# Altium PCB RFFE_Controller.PcbDoc (part 1 of 2) (continued)
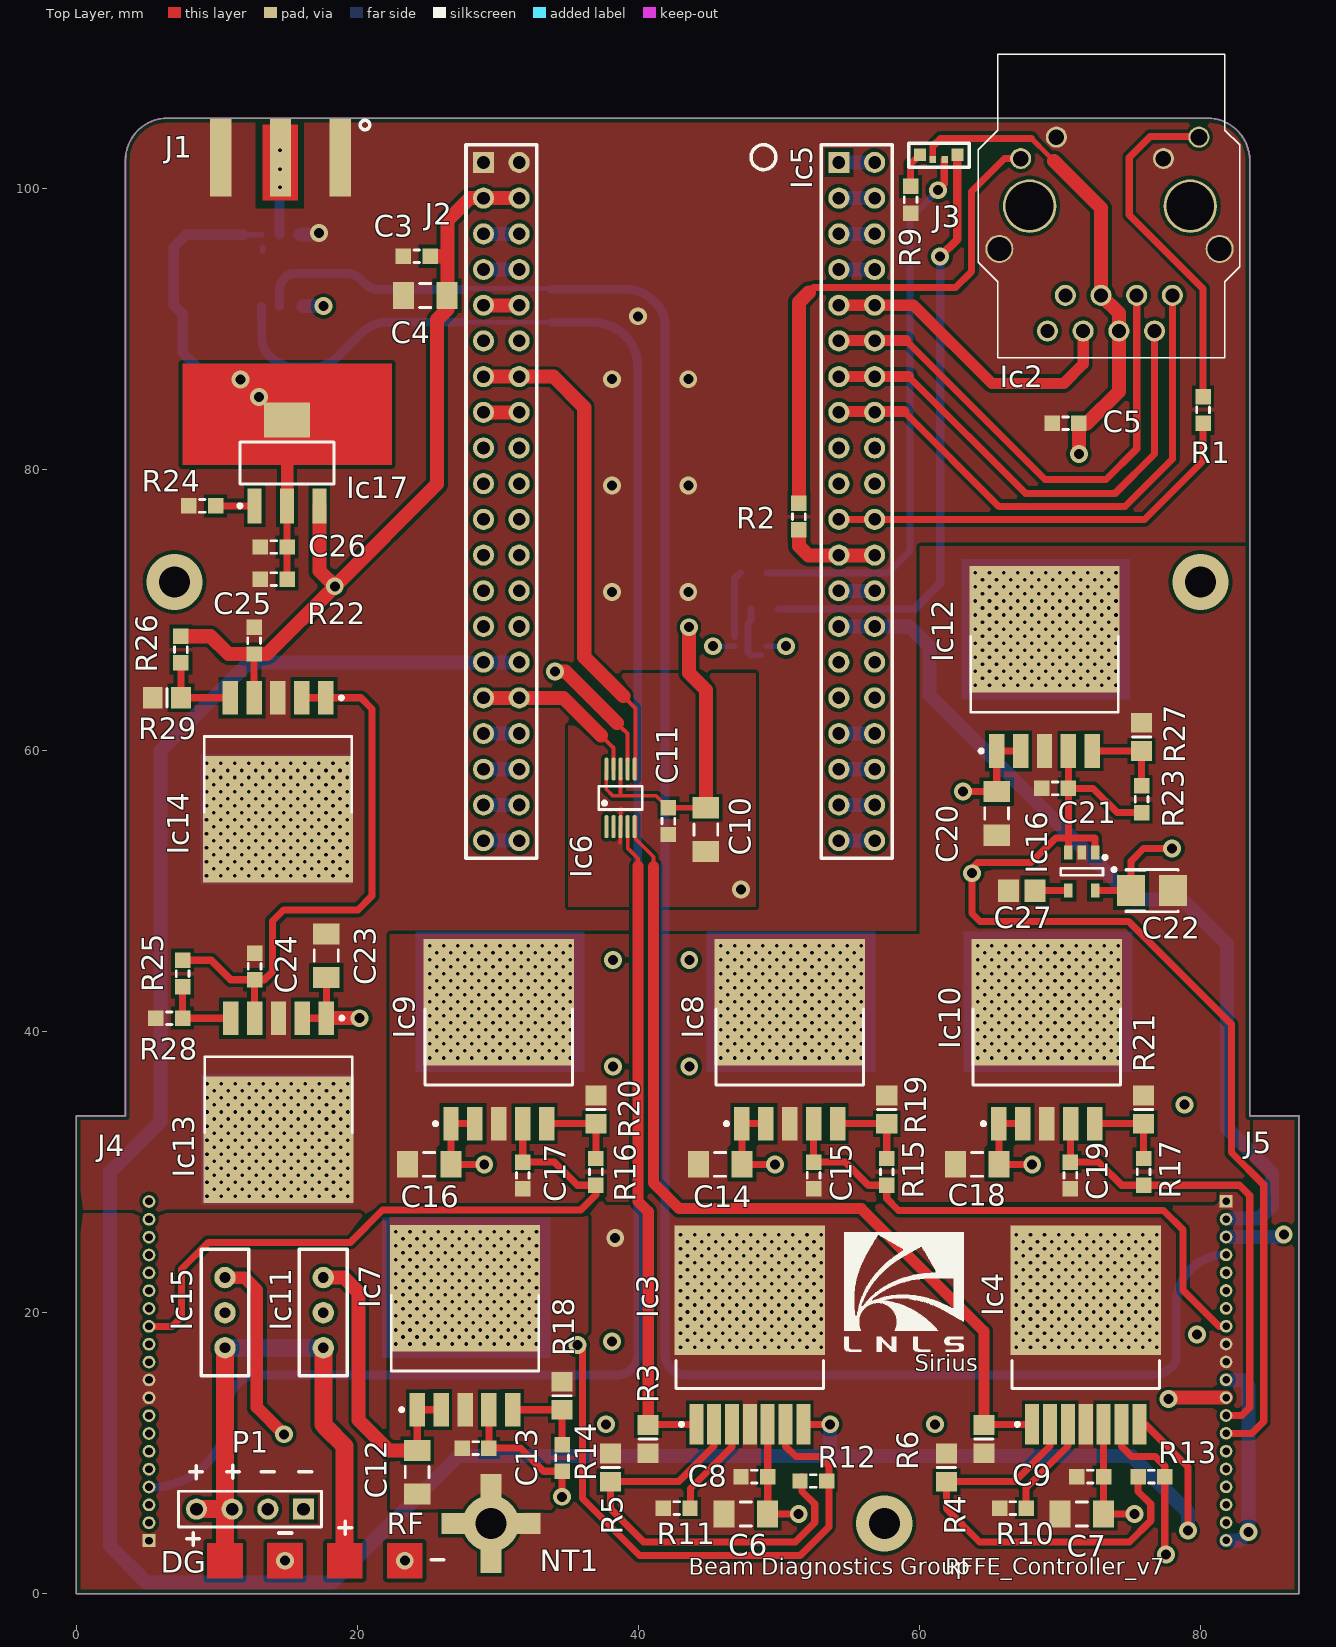
[diagram p0: Top Layer view]
## Footprints (in the part's own frame and the unit in brackets; to place one, negate y for a bottom-side part, rotate by r counter-clockwise, add the part's x,y. Pads: shape width x height; smd on the part's side, far side on the other; paste and mask are expansions set on the pad)
2-534998-0 [mm]
  rect 1.5x1.5 hole 0.9: 1(0,0)
  round 1.5 hole 0.9: 2(0,-2.54) 3(0,-5.08) 4(0,-7.62) 5(0,-10.16) 6(0,-12.7) 7(0,-15.24) 8(0,-17.78) 9(0,-20.32) 10(0,-22.86) 11(0,-25.4) 12(0,-27.94) 13(0,-30.48) 14(0,-33.02) 15(0,-35.56) 16(0,-38.1) 17(0,-40.64) 18(0,-43.18) 19(0,-45.72) 20(0,-48.26) 21(2.54,0) 22(2.54,-2.54) 23(2.54,-5.08) 24(2.54,-7.62) 25(2.54,-10.16) 26(2.54,-12.7) 27(2.54,-15.24) 28(2.54,-17.78) 29(2.54,-20.32) 30(2.54,-22.86) 31(2.54,-25.4) 32(2.54,-27.94) 33(2.54,-30.48) 34(2.54,-33.02) 35(2.54,-35.56) 36(2.54,-38.1) 37(2.54,-40.64) 38(2.54,-43.18) 39(2.54,-45.72) 40(2.54,-48.26)
  silkscreen extent -1.24,-49.53 3.78,1.27, body extent -1.24,-49.53 3.78,1.27, height 6.22
8-SOIC [mm] "8-SOIC (0.154\", 3.90mm Width)"
  oval 2.3x0.7 smd: 1(-2.54,1.905) 2(-2.54,0.635) 3(-2.54,-0.635) 4(-2.54,-1.905) 5(2.56,-1.905) 6(2.56,-0.635) 7(2.56,0.635) 8(2.56,1.905)
  silkscreen extent -2.66,-2.5 1.01,2.93, body extent -1.98,-2.79 2.01,2.72, height 1.75
10-MSOP [mm] "TSSOP, 10-Leads, Body 3.1x3.1mm (max), Pitch 0.50mm, IPC Medium Density"
  oval 1.65x0.3 smd: 1(-2.05,1) 2(-2.05,0.5) 3(-2.05,0) 4(-2.05,-0.5) 5(-2.05,-1) 6(2.05,-1) 7(2.05,-0.5) 8(2.05,0) 9(2.05,0.5) 10(2.05,1)
  silkscreen extent -0.83,-1.55 0.82,1.55, body extent -1.55,-1.55 1.55,1.55, height 1.1
0603 [mm] "0603 in ou 1608 mm"
  rect 1.1x1.1 smd: 1(-0.95,0) 2(0.95,0)
  silkscreen extent -0.2,-0.45 0.2,0.45, body extent -0.85,-0.48 0.85,0.48, height 0.6
1206 [mm] "1206 in - 3216 mm"
  rect 1.5x1.9 smd: 1(-1.55,0) 2(1.55,0)
  silkscreen extent -0.4,-0.85 0.4,0.85, body extent -1.7,-0.9 1.7,0.9, height 1.35
CAPC2012M [mm] "Chip Capacitor, Body 2.0x1.3mm, IPC Low Density"
  rect 1.5x1.6 smd: 1(-0.95,0) 2(0.95,0)
  body extent -1.1,-0.72 1.1,0.72, height 1.1
DBV005 [mm] "TPS73030"
  rect 1x0.6 smd: 1(0,0) 2(0,-0.95) 3(0,-1.9) 4(2.7,-1.9) 5(2.7,0)
  silkscreen extent 0.2,-2.45 1.6,0.83, body extent 0.48,-2.47 2.22,0.58, height 1.45
"DD Pak" [mm]
  rect 2.4x1.1 smd: 1(0,0.004) 2(0,-1.698) 3(0,-3.4) 4(0,-5.102) 5(0,-6.804)
  rect 9x10.7 smd: 6(8.65,-3.4)
  silkscreen extent -0.12,-8.65 8.15,1.85, body extent 2.75,-8.67 12.15,1.88, height 4.57
DDPAK [mm] "TO-263-8, D²Pak (7 Leads + Tab), TO-263CA"
  rect 2.9x1 smd: 1(-6.353,3.807) 2(-6.353,2.537) 3(-6.353,1.267) 4(-6.353,-0.003) 5(-6.353,-1.273) 6(-6.353,-2.543) 7(-6.353,-3.813)
  rect 9.2x10.7 smd: 8(3.197,-0.003)
  silkscreen extent -6.48,-5.25 -1.8,5.25, body extent -3.8,-5.28 5.6,5.27, height 4.57
GROUNDCONNECT [mm]
  rect 1.5x2.75 all layers, no hole: 1(0,2.149) 3(0,-2.149)
  rect 2.75x1.5 all layers, no hole: 2(2.149,0) 4(-2.149,0)
HDR1X4 [mm] "Connector; Header; 4 Position"
  rect 1.5x1.5 hole 0.9: 1(0,0)
  round 1.5 hole 0.9: 2(2.54,0) 3(5.08,0) 4(7.62,0)
  silkscreen extent -1.27,-1.27 8.89,1.27
LED_3colors [mm]
  rect 0.85x0.9 smd: 1(0,0) 4(2.65,0)
  rect 0.45x0.5 smd: 2(0.9,-0.35) 3(1.75,-0.35)
  silkscreen extent -0.8,-0.9 3.5,0.8, body extent 0.05,-0.5 2.55,0.5, height 1
Radial-3 [mil] "0.354\" L x 0.126\" W (9.00mm x 3.20mm)"
  round 60 hole 30: 1(-98.43,0) 2(0,0) 3(98.43,0)
  silkscreen extent -177,-67 177,67, body extent -172,-62 172,62, height 315
RESC2012M [mm] "Chip Resistor, Body 2.0x1.3mm, IPC Low Density"
  rect 1.4x1.5 smd: 1(-1,0) 2(1,0)
  silkscreen extent 0,-0.65 0,0.65, body extent -1.07,-0.7 1.07,0.7, height 0.65
RJ_45 [mm] "RJ45 footprint for J0006D21BNL"
  round 1.5 hole 1: 1(0,0) 2(2.54,-1.27) 3(0,-2.54) 4(2.54,-3.81) 5(0,-5.08) 6(2.54,-6.35) 7(0,-7.62) 8(2.54,-8.89)
  round 1.5 hole 1.2: 9(-11.25,1.884)
  round 1.5 hole 1.1: 10(-9.731,-0.635) 11(-11.25,-8.255) 12(-9.731,-10.795)
  round 2 hole 1.7: 13(-3.301,3.365) 14(-3.301,-12.316)
  round 3.8 hole 3.4: 15(-6.35,1.27) 16(-6.35,-10.16)
  silkscreen extent -17.15,-13.82 4.43,4.78, body extent -17.09,-12.37 4.37,3.66, height 15.5
SMAedge50R [mm]
  rect 1.524x5.5 smd: 1(0,0) 2(8.5,0)
  rect 1.524x5.5 smd far side: 3(0,0) 4(8.5,0)
  rect 1.5x5.5 smd: 5(4.25,0)
  silkscreen extent -2.11,-2.68 -1.44,-2, body extent -0.75,-15.58 9.25,2, height 3.96
SOT-223 [mm] "TO-261-4, TO-261AA"
  rect 2.5x1 smd: 1(-3.025,2.3) 2(-3.025,0) 3(-3.025,-2.3)
  rect 2.5x3.3 smd: 4(3.075,0)
  silkscreen extent -3.15,-3.35 1.53,3.47, body extent -1.82,-3.35 1.88,3.35, height 1.8
SOT_363 [mm] "TXRX XLATING DUAL 3ST 6TSSOP"
  rect 0.65x0.4 smd: 1(-0.95,0.65) 2(-0.95,0) 3(-0.95,-0.65) 4(0.95,-0.65) 5(0.95,0) 6(0.95,0.65)
  silkscreen extent -1.07,-1.1 0.25,1.52, body extent -0.7,-1.1 0.7,1.1, height 1
TC3528-1411 [mm] "Capacitor, SM Tantalum; Body 3.5 x 2.8 mm (LxW typ)"
  rect 2x2.2 smd: 1(-1.5,0) 2(1.5,0)
  silkscreen extent -2.82,-1.5 1.85,1.62
TFM-120-01-L-D [mm]
  rect 0.905x0.905 hole 0.54: 1(-12.07,-0.48)
  round 0.905 hole 0.54: 2(-10.8,-0.48) 3(-9.53,-0.48) 4(-8.26,-0.48) 5(-6.99,-0.48) 6(-5.72,-0.48) 7(-4.45,-0.48) 8(-3.18,-0.48) 9(-1.91,-0.48) 10(-0.64,-0.48) 11(0.63,-0.48) 12(1.9,-0.48) 13(3.17,-0.48) 14(4.44,-0.48) 15(5.71,-0.48) 16(6.98,-0.48) 17(8.25,-0.48) 18(9.52,-0.48) 19(10.79,-0.48) 20(12.06,-0.48)
  body extent -14.29,-0.63 14.29,5.59, height 4.46

## Part data
C1 C4 C6 C7 C10 C12 C13 C14 C15 C16 C17 C18 C19 C20 C21 C23 C24 C25 C26: "CAP TANT 10UF 10V 10% 1206"
C2 C3 C5 C8 C9 C11: "CAP CER 0.1UF 25V 10% X7R 0603"
C22: library part T520B106M016ATE100, "CAP TANT 10UF 16V 20% 1411"
C27: library part C2012C0G1H103J/0.60, "CAP CER 10000PF 50V 5% NP0 0805"
IC1: "IC CLK BUFFER 1:4 200MHZ 8SOIC"
Ic2: "CONN MAGJACK 1PORT 100 BASE-TX"
Ic3 Ic4: "IC OPAMP PWR 1MHZ SGL D2PAK-7"
Ic5: "LED CHIP RGB 2.5X1.0X1.0MM SMD"
Ic6: "IC DAC 12BIT QUAD W/SPI 10-MSOP"
Ic7 Ic8 Ic9 Ic10 Ic12 Ic13 Ic14: library part LT1764AEQ#PBF
Ic11 Ic15: "FILTER EMI 100PF 350-500MHZ 5A"
Ic16: "IC LDO REG HI-PSRR 3V SOT23-5"
Ic17: library part LT3080EST#TRPBF, "IC REG LDO ADJ 1.1A SOT223"
Ic18: "MOSFET N-CH TRENCH DL 20V 6TSSOP"
J1: library part 132289RP, "CONN RCPT BLKHD SMA REV POL PCB"
J2 J3: "CONN RECEPT 40POS .100 VERT DUAL"
J4 J5: library part TFM-120-01-L-S-RA
P1: "Header, 4-Pin"
R1 R2 R7 R8 R9: "RES 220 OHM 1/10W 5% 0603 SMD"
R3 R4 R5 R6: library part ERJ-6ENF1002V, "RES 10.0K OHM 1/8W 1% 0805 SMD"
R10 R11: "RES 47K OHM 1/10W 5% 0603 SMD"
R12 R13: library part ERJ-3GEYJ203V, "RES 20K OHM 1/10W 5% 0603 SMD"
R14 R15 R16 R17 R23 R25 R26: "RES 4.7K OHM 1/10W 5% 0603 SMD"
R18 R19 R20 R21 R27 R29: library part ERA-6AEB152V, "RES 1.5K OHM 1/8W .1% 0805 SMD"
R22 R28: "RES 1K OHM 1/10W 1% 0603 SMD"
R24: "RES 330K OHM 1/10W 5% 0603 SMD"

## Via types
v1: diameter 0.35, hole 0.254, Top Layer to Bottom Layer, 1611 vias
v2: diameter 1.27, hole 0.711, Top Layer to Bottom Layer, 50 vias
v3: diameter 4, hole 2.2, Top Layer to Bottom Layer, 4 vias
v4: diameter 0.635, hole 0.254, Top Layer to Bottom Layer, 3 vias

## Nets (pads, with @x,y where several pads share a name; then routed paths per layer and width w, separated by ;. In a path a pad name is that pad's centre, name@x,y a point inside that pad or via, vN(x,y) a via of type N, cw(c..) or ccw(c..) an arc to the next point about the centre after c; other vN are vias at no path point)
9VIN: Ic11.1 Ic15.1 P1.3 P1.4 | length 40.5
  Top Layer w1.27: P1.4@8.555,6.025 P1.3@11.095,6.025 ; 10.583,2.349 Ic15.1@10.583,17.5 ; Ic11.1@17.583,17.5 17.583,12.053 17.734,11.902 17.734,11.866 19.1,10.5 19.1,2.349
  Bottom Layer w1.27: Ic15.1@10.583,17.5 Ic11.1@17.583,17.5
+3.3V: C1.1 C2.1 C5.1 C10.1 C11.1 C26.1 IC1.1 IC1.2 Ic2.4 Ic2.5 Ic5.2 Ic6.8 Ic6.10 Ic17.2 Ic17.4 R22.1 | length 162.2
  Top Layer w0.254: Ic6.10@37.716,58.475 37.716,57.25 38.195,56.77 41.282,56.77 C11.1@42.131,55.922
  Top Layer w0.3: 38.732,56.8 Ic6.8@38.732,58.1
  Top Layer w0.35: 67.975,103.55 69.211,102.314 69.587,101.937
  Top Layer w0.381: C11.1@42.137,55.928 C10.1@44.804,55.928
  Top Layer w0.45: Ic5.2@60.95,102.05 60.95,103
  Top Layer w0.5: 60.95,103 61.5,103.55 67.975,103.55
  Top Layer w0.508: R22.1@15,72.2 C26.1@15,74.486 Ic17.2@15,77.413
  Top Layer w0.889: Ic17.2@15,77.413 Ic17.4@15,83.513
  Top Layer w1: v2(43.6,68.775) 43.6,65.527 44.804,64.323 C10.1@44.804,55.928 ; 69.588,101.937 72.92,98.605 Ic2.5@72.92,92.395 74.19,91.125 74.19,85.547 71.934,83.291 C5.1@71.351,83.291 v2@71.351,81.403
  MidLayer1 w0.381: v2(11.7,86.413) 17.838,80.275 34.05,80.275 ; 48.863,70.05 58.925,70.05
  MidLayer1 w1: 34.05,80.275 41,73.325 41,71.25 43.625,68.625 45.05,70.05 48.863,70.05 ; 58.925,70.05 69.966,81.091 v2(71.343,81.091)
  Bottom Layer w0.381: IC1.1@11.92,96.715 IC1.2@13.19,96.715 ; 13.273,95.527 IC1.2@13.273,95.825
  Bottom Layer w0.75: v2(11.7,86.413) 9.462,86.413 7.575,88.3 C2.1@7.575,91.05 6.95,91.675 6.95,95.825 7.825,96.7 C1.1@9.1,96.7 11.905,96.7 IC1.1@11.92,96.715
  other v2: 13,85.15
+3VRF: C22.1 Ic16.5 J4.7 J5.7 | length 129.7
  Top Layer w0.508: Ic16.5@72.503,50.031 C22.1@75.001,50.031 ; C22.1@75.05,50.031 75.05,52.128 75.946,53.024 v2(77.978,53.024)
  MidLayer2 w0.508: J4.7@5.18,11.406 6.531,11.406 7.625,12.5 33.5,12.5 35.086,10.914 77.564,10.914 80.022,13.372 80.022,16.203 78.575,17.65 78.575,21.15 79.025,21.6 80.425,21.6 80.425,50.577 v2(77.978,53.024) ; 80.425,21.613 81.732,20.306 J5.7@81.82,20.306
+5VD: C3.1 C4.1 C25.1 Ic14.4 Ic17.3 J2.2 J2.22 J4.12 J5.12 R26.1 | length 204.5
  Top Layer w0.508: Ic14.4@12.653,63.757 C25.1@12.653,66.871 ; 26.4,95.175 26.425,95.15
  Top Layer w1: R26.1@7.452,68.136 9.566,68.136 10.831,66.871 C25.1@12.653,66.871 13.582,66.871 v2(18.4,71.689) ; Ic17.3@17.3,77.413 17.3,72.789 v2(18.4,71.689) ; C3.1@25.175,95.175 26.4,95.175 ; J2.22@31.52,99.306 28.006,99.306 26.425,97.725 26.425,95.15 26.425,91.4 25.679,90.654 25.679,78.969 v2(18.4,71.689) ; v2(77.725,13.85) 77.831,13.956 J5.12@81.82,13.956
  MidLayer2 w0.8: J4.12@5.18,17.756 6.244,17.756 6.546,17.454 6.546,15.854 8.4,14 77.575,14 v2(77.725,13.85)
  MidLayer2 w1: J4.12@5.18,17.756 3.444,17.756 2.075,19.125 2.075,29.95 5.888,33.763 5.888,64.588 12.989,71.689 v2(18.4,71.689)
+5VRF: C21.1 Ic12.4 Ic16.1 Ic16.3 J4.14 J5.14 R23.1 | length 178.4
  Top Layer w0.508: Ic16.3@70.603,52.731 70.603,53.788 ; Ic12.4@70.603,59.97 C21.1@70.603,57.303 ; Ic16.1@72.503,52.731 72.503,53.788 70.603,53.788 ; R23.1@75.804,55.591 74.071,55.591 72.359,57.303 C21.1@70.603,57.303 ; J5.14@81.82,11.416 83.666,11.416 84.5,12.25 84.5,29.1 82.2,31.4 82.2,40.522 74.887,47.834 64.316,47.834 63.75,48.4 63.75,51.625 64.15,52.025 67.943,52.025 69.706,53.788 70.603,53.788 ; 70.603,53.788 C21.1@70.603,57.303
  MidLayer2 w0.8: J4.14@5.18,20.296 5.879,20.296 7.6,18.575 7.6,16.7 9.246,15.054 39.354,15.054 41,16.7 41,51.05 41.675,51.725 63.3,51.725 v2(63.75,51.275)
+9VD: C6.1 C7.1 C8.1 C9.1 C23.1 Ic3.5 Ic4.5 Ic13.1 Ic13.2 Ic15.3 | length 130.5
  Top Layer w0.508: Ic13.2@16.094,40.957 Ic13.1@17.796,40.957 C23.1@17.796,43.848 ; Ic3.5@49.202,12.057 C8.1@49.202,8.342 C6.1@49.202,5.675 v2(51.409,5.675) ; C7.1@73.105,5.675 v2(75.312,5.675) ; C7.1@73.105,5.693 C9.1@73.105,8.342 Ic4.5@73.105,12.057
  Top Layer w0.889: Ic15.3@10.583,22.5 11.968,22.5 12.852,21.615 12.852,13.273 v2(14.775,11.35)
  Top Layer w1: Ic13.1@17.796,40.957 v2(20.163,40.957)
  MidLayer1 w0.889: v2(14.775,11.35) 33.35,11.35 35.48,9.22 71.767,9.22 v2(75.312,5.675) ; v2(51.409,5.675) 51.409,9.211
  MidLayer1 w1: Ic15.3@10.583,22.5 13.333,25.25 18.56,25.25 21.05,27.74 21.05,40.07 v2(20.163,40.957)
+9VRF: C12.1 C14.1 C16.1 C18.1 C20.1 Ic7.1 Ic7.2 Ic8.1 Ic8.2 Ic9.1 Ic9.2 Ic10.1 Ic10.2 Ic11.3 Ic12.1 Ic12.2 | length 136.8
  Top Layer w0.508: C12.1@24.262,10.201 Ic7.1@24.262,13.096 Ic7.2@25.964,13.096 ; Ic9.2@28.369,33.451 Ic9.1@26.667,33.451 C16.1@26.667,30.556 v2(29.034,30.556) ; Ic8.2@49.07,33.451 Ic8.1@47.368,33.451 C14.1@47.368,30.556 v2(49.735,30.556) ; v2(63.108,57.075) C20.1@65.497,57.075 Ic12.1@65.497,59.97 Ic12.2@67.199,59.97 ; Ic10.2@67.358,33.451 Ic10.1@65.656,33.451 C18.1@65.656,30.556 v2(68.023,30.556)
  Top Layer w1: Ic11.3@17.583,22.5 19.054,22.5 20.1,21.454 20.1,12.361 22.26,10.201 C12.1@24.262,10.201
  MidLayer1 w1: Ic11.3@17.583,22.5 29.932,34.849 63.73,34.849 v2(68.023,30.556) ; 27.383,32.207 v2(29.034,30.556) ; v2(49.735,30.556) 49.735,34.814 ; 60.477,34.871 60.477,54.444 v2(63.108,57.075)
A+5V: C17.1 Ic9.4 J4.13 R16.1 | length 47
  Top Layer w0.508: J4.13@5.18,19.026 6.826,19.026 7.5,19.7 7.5,23.1 9.4,25 19.5,25 21.8,27.3 35.9,27.3 36.974,28.374 R16.1@36.974,29.072 35.662,29.072 34.016,30.718 C17.1@31.773,30.718 Ic9.4@31.773,33.451
AGND: C6.2 C7.2 C8.2 C9.2 C10.2 C11.2 Ic3.4 Ic3.8 Ic4.4 Ic4.8 Ic6.3 J4.1 J4.9 J4.10 J5.1 J5.9 J5.10 NT1.1 R3.2 R4.2 R5.2 R6.2 R10.2 R11.2 | length 7.4
  Top Layer w0.25: 38.726,53.426 38.726,54.582 Ic6.3@38.732,54.588 38.732,55.882
  MidLayer1 w1.27: v2(38.35,25.325) 42.223,25.325 v1(42.998,24.549)
  other v1: 42.998,17.549 43.998,17.549 44.998,17.549 45.998,17.549 46.998,17.549 47.998,17.549 48.998,17.549 49.998,17.549 50.998,17.549 51.998,17.549 52.998,17.549 66.901,17.549 67.901,17.549 68.901,17.549 69.901,17.549 70.901,17.549 71.901,17.549 72.901,17.549 73.901,17.549 74.901,17.549 75.901,17.549 76.901,17.549 43.498,18.049 44.498,18.049 45.498,18.049 46.498,18.049 47.498,18.049 48.498,18.049 49.498,18.049 50.498,18.049 51.498,18.049 52.498,18.049 67.401,18.049 68.401,18.049 69.401,18.049 70.401,18.049 71.401,18.049 72.401,18.049 73.401,18.049 74.401,18.049 75.401,18.049 76.401,18.049 42.998,18.549 43.998,18.549 44.998,18.549 45.998,18.549 46.998,18.549 47.998,18.549 48.998,18.549 49.998,18.549 50.998,18.549 51.998,18.549 52.998,18.549 66.901,18.549 67.901,18.549 68.901,18.549 69.901,18.549 70.901,18.549 71.901,18.549 72.901,18.549 73.901,18.549 74.901,18.549 75.901,18.549 76.901,18.549 43.498,19.049 44.498,19.049 45.498,19.049 46.498,19.049 47.498,19.049 48.498,19.049 49.498,19.049 50.498,19.049 51.498,19.049 52.498,19.049 67.401,19.049 68.401,19.049 69.401,19.049 70.401,19.049 71.401,19.049 72.401,19.049 73.401,19.049 74.401,19.049 75.401,19.049 76.401,19.049 42.998,19.549 43.998,19.549 44.998,19.549 45.998,19.549 46.998,19.549 47.998,19.549 48.998,19.549 49.998,19.549 50.998,19.549 51.998,19.549 52.998,19.549 66.901,19.549 67.901,19.549 68.901,19.549 69.901,19.549 70.901,19.549 71.901,19.549 72.901,19.549 73.901,19.549 74.901,19.549 75.901,19.549 76.901,19.549 43.498,20.049 44.498,20.049 45.498,20.049 46.498,20.049 47.498,20.049 48.498,20.049 49.498,20.049 50.498,20.049 51.498,20.049 52.498,20.049 67.401,20.049 68.401,20.049 69.401,20.049 70.401,20.049 71.401,20.049 72.401,20.049 73.401,20.049 74.401,20.049 75.401,20.049 76.401,20.049 42.998,20.549 43.998,20.549 44.998,20.549 45.998,20.549 46.998,20.549 47.998,20.549 48.998,20.549 49.998,20.549 50.998,20.549 51.998,20.549 52.998,20.549 66.901,20.549 67.901,20.549 68.901,20.549 69.901,20.549 70.901,20.549 71.901,20.549 72.901,20.549 73.901,20.549 74.901,20.549 75.901,20.549 76.901,20.549 43.498,21.049 44.498,21.049 45.498,21.049 46.498,21.049 47.498,21.049 48.498,21.049 49.498,21.049 50.498,21.049 51.498,21.049 52.498,21.049 67.401,21.049 68.401,21.049 69.401,21.049 70.401,21.049 71.401,21.049 72.401,21.049 73.401,21.049 74.401,21.049 75.401,21.049 76.401,21.049 42.998,21.549 43.998,21.549 44.998,21.549 45.998,21.549 46.998,21.549 47.998,21.549 48.998,21.549 49.998,21.549 50.998,21.549 51.998,21.549 52.998,21.549 66.901,21.549 67.901,21.549 68.901,21.549 69.901,21.549 70.901,21.549 71.901,21.549 72.901,21.549 73.901,21.549 74.901,21.549 75.901,21.549 76.901,21.549 43.498,22.049 44.498,22.049 45.498,22.049 46.498,22.049 47.498,22.049 48.498,22.049 49.498,22.049 50.498,22.049 51.498,22.049 52.498,22.049 67.401,22.049 68.401,22.049 69.401,22.049 70.401,22.049 71.401,22.049 72.401,22.049 73.401,22.049 74.401,22.049 75.401,22.049 76.401,22.049 42.998,22.549 43.998,22.549 44.998,22.549 45.998,22.549 46.998,22.549 47.998,22.549 48.998,22.549 49.998,22.549 50.998,22.549 51.998,22.549 52.998,22.549 66.901,22.549 67.901,22.549 68.901,22.549 69.901,22.549 70.901,22.549 71.901,22.549 72.901,22.549 73.901,22.549 74.901,22.549 75.901,22.549 76.901,22.549 43.498,23.049 44.498,23.049 45.498,23.049 46.498,23.049 47.498,23.049 48.498,23.049 49.498,23.049 50.498,23.049 51.498,23.049 52.498,23.049 67.401,23.049 68.401,23.049 69.401,23.049 70.401,23.049 71.401,23.049 72.401,23.049 73.401,23.049 74.401,23.049 75.401,23.049 76.401,23.049 42.998,23.549 43.998,23.549 44.998,23.549 45.998,23.549 46.998,23.549 47.998,23.549 48.998,23.549 49.998,23.549 50.998,23.549 51.998,23.549 52.998,23.549 66.901,23.549 67.901,23.549 68.901,23.549 69.901,23.549 70.901,23.549 71.901,23.549 72.901,23.549 73.901,23.549 74.901,23.549 75.901,23.549 76.901,23.549 43.498,24.049 44.498,24.049 45.498,24.049 46.498,24.049 47.498,24.049 48.498,24.049 49.498,24.049 50.498,24.049 51.498,24.049 52.498,24.049 67.401,24.049 68.401,24.049 69.401,24.049 70.401,24.049 71.401,24.049 72.401,24.049 73.401,24.049 74.401,24.049 75.401,24.049 76.401,24.049 43.998,24.549 44.998,24.549 45.998,24.549 46.998,24.549 47.998,24.549 48.998,24.549 49.998,24.549 50.998,24.549 51.998,24.549 52.998,24.549 66.901,24.549 67.901,24.549 68.901,24.549 69.901,24.549 70.901,24.549 71.901,24.549 72.901,24.549 73.901,24.549 74.901,24.549 75.901,24.549 76.901,24.549 43.498,25.049 44.498,25.049 45.498,25.049 46.498,25.049 47.498,25.049 48.498,25.049 49.498,25.049 50.498,25.049 51.498,25.049 52.498,25.049 67.401,25.049 68.401,25.049 69.401,25.049 70.401,25.049 71.401,25.049 72.401,25.049 73.401,25.049 74.401,25.049 75.401,25.049 76.401,25.049 42.998,25.549 43.998,25.549 44.998,25.549 45.998,25.549 46.998,25.549 47.998,25.549 48.998,25.549 49.998,25.549 50.998,25.549 51.998,25.549 52.998,25.549 66.901,25.549 67.901,25.549 68.901,25.549 69.901,25.549 70.901,25.549 71.901,25.549 72.901,25.549 73.901,25.549 74.901,25.549 75.901,25.549 76.901,25.549
  other v2: 47.315,50.103
B+5V: C19.1 Ic10.4 J5.13 R17.1 | length 33.5
  Top Layer w0.508: Ic10.4@70.74,33.451 C19.1@70.74,30.718 72.751,30.718 74.397,29.072 R17.1@75.947,29.072 82.778,29.072 83.5,28.35 83.5,13.25 82.936,12.686 J5.13@81.82,12.686
C+5V: C13.1 Ic7.4 J4.8 R14.1 | length 42.2
  Top Layer w0.508: Ic7.4@29.368,13.096 C13.1@29.368,10.363 31.611,10.363 33.257,8.717 R14.1@34.569,8.717 v2(34.569,6.9)
  MidLayer1 w0.508: J4.8@5.18,12.676 5.891,12.676 8.642,9.925 31.544,9.925 v2(34.569,6.9)
D+5V: C15.1 Ic8.4 J5.8 R15.1 | length 40
  Top Layer w0.508: Ic8.4@52.474,33.451 C15.1@52.474,30.718 54.717,30.718 56.363,29.072 R15.1@57.675,29.072 57.675,28.125 58.52,27.28 77.368,27.28 78.765,25.883 78.765,21.585 81.317,19.033 J5.8@81.817,19.033
DGND: C1.2 C2.2 C3.2 C4.2 C5.2 C23.2 C24.2 C25.2 C26.2 IC1.4 Ic2.10 Ic2.11 Ic2.13 Ic2.14 Ic13.3 Ic13.6 Ic14.3 Ic14.6 Ic15.2 Ic18.1 Ic18.4 J1.1 J1.2 J1.3 J1.4 J2.1 J2.21 NT1.2 NT1.3 R9.2 R22.2 R24.2 R28.1 R29.2 | length 1.3
  Bottom Layer w1: IC1.4@15.95,96.715 v2@17.165,96.715 ; v2(17.275,96.825) v2@17.304,96.796
  other v1: 9.308,28.282 10.308,28.282 11.308,28.282 12.308,28.282 13.308,28.282 14.308,28.282 15.308,28.282 16.308,28.282 17.308,28.282 18.308,28.282 19.308,28.282 9.808,28.782 10.808,28.782 11.808,28.782 12.808,28.782 13.808,28.782 14.808,28.782 15.808,28.782 16.808,28.782 17.808,28.782 18.808,28.782 9.308,29.282 10.308,29.282 11.308,29.282 12.308,29.282 13.308,29.282 14.308,29.282 15.308,29.282 16.308,29.282 17.308,29.282 18.308,29.282 19.308,29.282 9.808,29.782 10.808,29.782 11.808,29.782 12.808,29.782 13.808,29.782 14.808,29.782 15.808,29.782 16.808,29.782 17.808,29.782 18.808,29.782 9.308,30.282 10.308,30.282 11.308,30.282 12.308,30.282 13.308,30.282 14.308,30.282 15.308,30.282 16.308,30.282 17.308,30.282 18.308,30.282 19.308,30.282 9.808,30.782 10.808,30.782 11.808,30.782 12.808,30.782 13.808,30.782 14.808,30.782 15.808,30.782 16.808,30.782 17.808,30.782 18.808,30.782 9.308,31.282 10.308,31.282 11.308,31.282 12.308,31.282 13.308,31.282 14.308,31.282 15.308,31.282 16.308,31.282 17.308,31.282 18.308,31.282 19.308,31.282 9.808,31.782 10.808,31.782 11.808,31.782 12.808,31.782 13.808,31.782 14.808,31.782 15.808,31.782 16.808,31.782 17.808,31.782 18.808,31.782 9.308,32.282 10.308,32.282 11.308,32.282 12.308,32.282 13.308,32.282 14.308,32.282 15.308,32.282 16.308,32.282 17.308,32.282 18.308,32.282 19.308,32.282 9.808,32.782 10.808,32.782 11.808,32.782 12.808,32.782 13.808,32.782 14.808,32.782 15.808,32.782 16.808,32.782 17.808,32.782 18.808,32.782 9.308,33.282 10.308,33.282 11.308,33.282 12.308,33.282 13.308,33.282 14.308,33.282 15.308,33.282 16.308,33.282 17.308,33.282 18.308,33.282 19.308,33.282 9.808,33.782 10.808,33.782 11.808,33.782 12.808,33.782 13.808,33.782 14.808,33.782 15.808,33.782 16.808,33.782 17.808,33.782 18.808,33.782 9.308,34.282 10.308,34.282 11.308,34.282 12.308,34.282 13.308,34.282 14.308,34.282 15.308,34.282 16.308,34.282 17.308,34.282 18.308,34.282 19.308,34.282 9.808,34.782 10.808,34.782 11.808,34.782 12.808,34.782 13.808,34.782 14.808,34.782 15.808,34.782 16.808,34.782 17.808,34.782 18.808,34.782 9.308,35.282 10.308,35.282 11.308,35.282 12.308,35.282 13.308,35.282 14.308,35.282 15.308,35.282 16.308,35.282 17.308,35.282 18.308,35.282 19.308,35.282 9.808,35.782 10.808,35.782 11.808,35.782 12.808,35.782 13.808,35.782 14.808,35.782 15.808,35.782 16.808,35.782 17.808,35.782 18.808,35.782 9.308,36.282 10.308,36.282 11.308,36.282 12.308,36.282 13.308,36.282 14.308,36.282 15.308,36.282 16.308,36.282 17.308,36.282 18.308,36.282 19.308,36.282 9.271,51.082 10.271,51.082 11.271,51.082 12.271,51.082 13.271,51.082 14.271,51.082 15.271,51.082 16.271,51.082 17.271,51.082 18.271,51.082 19.271,51.082 9.771,51.582 10.771,51.582 11.771,51.582 12.771,51.582 13.771,51.582 14.771,51.582 15.771,51.582 16.771,51.582 17.771,51.582 18.771,51.582 9.271,52.082 10.271,52.082 11.271,52.082 12.271,52.082 13.271,52.082 14.271,52.082 15.271,52.082 16.271,52.082 17.271,52.082 18.271,52.082 19.271,52.082 9.771,52.582 10.771,52.582 11.771,52.582 12.771,52.582 13.771,52.582 14.771,52.582 15.771,52.582 16.771,52.582 17.771,52.582 18.771,52.582 9.271,53.082 10.271,53.082 11.271,53.082 12.271,53.082 13.271,53.082 14.271,53.082 15.271,53.082 16.271,53.082 17.271,53.082 18.271,53.082 19.271,53.082 9.771,53.582 10.771,53.582 11.771,53.582 12.771,53.582 13.771,53.582 14.771,53.582 15.771,53.582 16.771,53.582 17.771,53.582 18.771,53.582 9.271,54.082 10.271,54.082 11.271,54.082 12.271,54.082 13.271,54.082 14.271,54.082 15.271,54.082 16.271,54.082 17.271,54.082 18.271,54.082 19.271,54.082 9.771,54.582 10.771,54.582 11.771,54.582 12.771,54.582 13.771,54.582 14.771,54.582 15.771,54.582 16.771,54.582 17.771,54.582 18.771,54.582 9.271,55.082 10.271,55.082 11.271,55.082 12.271,55.082 13.271,55.082 14.271,55.082 15.271,55.082 16.271,55.082 17.271,55.082 18.271,55.082 19.271,55.082 9.771,55.582 10.771,55.582 11.771,55.582 12.771,55.582 13.771,55.582 14.771,55.582 15.771,55.582 16.771,55.582 17.771,55.582 18.771,55.582 9.271,56.082 10.271,56.082 11.271,56.082 12.271,56.082 13.271,56.082 14.271,56.082 15.271,56.082 16.271,56.082 17.271,56.082 18.271,56.082 19.271,56.082 9.771,56.582 10.771,56.582 11.771,56.582 12.771,56.582 13.771,56.582 14.771,56.582 15.771,56.582 16.771,56.582 17.771,56.582 18.771,56.582 9.271,57.082 10.271,57.082 11.271,57.082 12.271,57.082 13.271,57.082 14.271,57.082 15.271,57.082 16.271,57.082 17.271,57.082 18.271,57.082 19.271,57.082 9.771,57.582 10.771,57.582 11.771,57.582 12.771,57.582 13.771,57.582 14.771,57.582 15.771,57.582 16.771,57.582 17.771,57.582 18.771,57.582 9.271,58.082 10.271,58.082 11.271,58.082 12.271,58.082 13.271,58.082 14.271,58.082 15.271,58.082 16.271,58.082 17.271,58.082 18.271,58.082 19.271,58.082 9.771,58.582 10.771,58.582 11.771,58.582 12.771,58.582 13.771,58.582 14.771,58.582 15.771,58.582 16.771,58.582 17.771,58.582 18.771,58.582 9.271,59.082 10.271,59.082 11.271,59.082 12.271,59.082 13.271,59.082 14.271,59.082 15.271,59.082 16.271,59.082 17.271,59.082 18.271,59.082 19.271,59.082
  other v2: 14.859,2.35 37.7,12.057 61.1,12.057 38.125,17.95 78.85,34.8 38.2,37.525 43.625,37.525 38.2,45.1 43.625,45.1 38.125,71.275 43.55,71.275 38.125,78.85 43.55,78.85 38.125,86.425 43.55,86.425 39.975,90.9
NetC24_1: C24.1 Ic13.4 Ic14.1 Ic14.2 R25.1 | length 40
  Top Layer w0.508: R25.1@7.566,45.082 9.603,45.082 10.995,43.69 C24.1@12.69,43.69 ; Ic13.4@12.69,40.957 C24.1@12.69,43.69 ; Ic14.2@16.057,63.757 Ic14.1@17.759,63.757 20.263,63.757 21.056,62.964 21.056,49.664 20.056,48.664 14.756,48.664 13.956,47.864 13.956,44.264 13.382,43.69 C24.1@12.69,43.69
NetC27_1: C27.1 Ic16.4 | length 2.4
  Top Layer w0.508: C27.1@68.229,50.031 Ic16.4@70.603,50.031
NetIC1_3: IC1.3 J1.5 | length 6
  Bottom Layer w0.7: IC1.3@14.46,96.715 14.46,100.06 v4@14.475,100.075
  Bottom Layer w1: v4@14.475,100.075 v4@14.475,102.725
  other v4: 14.5,100.075 14.5,101.375 14.5,102.725
NetIC1_5: IC1.5 J2.9 J2.29 | length 23.2
  MidLayer1 w1: v2(17.6,91.625) 17.6,85.275 21.345,81.53 J2.9@28.98,81.53 J2.29@31.52,81.53
  Bottom Layer w1: 16.175,91.625 v2(17.6,91.625)
NetIC1_6: IC1.6 J5.4 | length 152.1
  Bottom Layer w0.35: 27.801,92.869 27.807,92.875 34.7,92.875
  Bottom Layer w0.635: IC1.6@14.46,91.615 14.46,92.708 cw(c15.792,92.708) 14.85,93.65 cw(c15.574,92.926) 15.574,93.95 19.251,93.95 cw(c19.251,92.564) 20.231,93.544 20.575,93.2 ccw(c21.541,94.166) 21.541,92.8 26.115,92.8 ; 26.175,92.8 27.6,92.8 ; 33.775,92.825 39.15,92.825 cw(c39.15,90.17) 41.028,92.047 41.304,91.771 cw(c39.853,90.32) 41.905,90.32 41.905,17.018 ccw(c43.353,17.018) 43.353,15.57 76.54,15.57 ccw(c76.54,17.635) 78,16.175 ccw(c77.336,16.839) 78.275,16.839 78.275,20.615 cw(c81.798,20.615) J5.4@81.798,24.138
NetIC1_7: IC1.7 J4.4 | length 143.6
  Bottom Layer w0.35: 27.425,90.475 33.85,90.475
  Bottom Layer w0.635: J4.4@5.173,7.57 ccw(c5.3,13.1) 10.664,11.753 ccw(c5.3,13.1) 10.83,13.018 10.83,13.421 cw(c12.969,13.421) 12.969,15.56 38.507,15.56 ; IC1.7@13.19,91.615 13.2,89.875 13.2,89.403 ccw(c15.078,89.403) 13.75,88.075 13.781,88.044 ccw(c15.577,89.84) 15.577,87.3 16.848,87.3 ccw(c16.848,89.84) 18.644,88.044 20.331,89.731 cw(c22.127,87.935) 22.127,90.475 27.425,90.475 ; 33.85,90.475 36.739,90.475 cw(c36.739,87.189) 39.062,89.513 cw(c36.908,87.358) 39.955,87.358 39.955,17.018 cw(c38.507,17.018) 38.507,15.57
NetIc2_1: Ic2.1 J3.8 J3.28 | length 39.6
  Top Layer w0.508: 58.9,84.125 65.65,77.375 74.632,77.375 78,80.743 Ic2.1@78,92.395
  Top Layer w0.8: J3.8@54.27,84.125 58.9,84.125
NetIc2_2: Ic2.2 J3.7 J3.27 | length 35.8
  Top Layer w0.508: 59.225,86.625 67.567,78.283 73.838,78.283 73.863,78.308 73.939,78.308 76.73,81.099 Ic2.2@76.73,89.855
  Top Layer w0.8: J3.7@54.27,86.625 59.225,86.625
NetIc2_3: Ic2.3 J3.6 J3.26 | length 37.1
  Top Layer w0.508: 59.05,89.175 68.926,79.299 73.279,79.299 75.46,81.48 Ic2.3@75.46,92.395
  Top Layer w0.8: J3.6@54.27,89.175 59.05,89.175
NetIc2_6: Ic2.6 J3.5 J3.25 | length 22.6
  Top Layer w0.8: J3.5@54.27,91.69 59.585,91.69 65.155,86.12 70.27,86.12 71.65,87.5 Ic2.6@71.65,89.855
NetIc2_9: Ic2.9 R1.2 | length 24.8
  Top Layer w0.508: Ic2.9@79.884,103.7 76.425,103.7 74.93,102.205 74.93,98.12 80.183,92.867 R1.2@80.183,85.191
NetIc2_12: Ic2.12 R2.2 | length 37.7
  Top Layer w0.5: 52.125,92.6 52.469,92.944 62.569,92.944 63.7,94.075 63.7,99.775 66.051,102.126 Ic2.12@67.205,102.126
  Top Layer w1: R2.2@51.425,77.6 51.425,91.9 52.125,92.6
NetIc3_1: Ic3.1 Ic6.4 R3.1 | length 45.9
  Top Layer w0.254: Ic6.4@39.232,53.925 39.232,53.068 39.975,52.325 39.975,51.775
  Top Layer w0.508: R3.1@40.698,12.057 Ic3.1@44.122,12.057
  Top Layer w0.8: 39.975,51.775 39.975,27.925 40.698,27.202 R3.1@40.698,12.057
NetIc3_2: Ic3.2 R5.1 R12.2 | length 31.6
  Top Layer w0.508: Ic3.2@45.392,12.057 45.392,10.509 42.86,7.977 R5.1@38.018,7.977 38.018,6.056 40.381,3.694 51.169,3.694 52.552,5.077 52.552,6.387 51.653,7.286 R12.2@51.653,8.342
NetIc3_3: Ic3.3 R11.1 | length 7.2
  Top Layer w0.508: R11.1@43.675,6.1 43.7,6.125 43.7,7.5 46.662,10.462 Ic3.3@46.662,12.057